# Altium PCB F103RCT6.PcbDoc (part 2 of 2)
Units mil, origin at the board's own origin, x right, y up, seen from the top; angles counter-clockwise.
Board outline 3156.04 x 3159.04 mil, 2 copper layers (Top Layer, Bottom Layer); 126 components, 98 nets, 417 pads, 159 vias.
Unrouted connection lines stored in the file: 77.
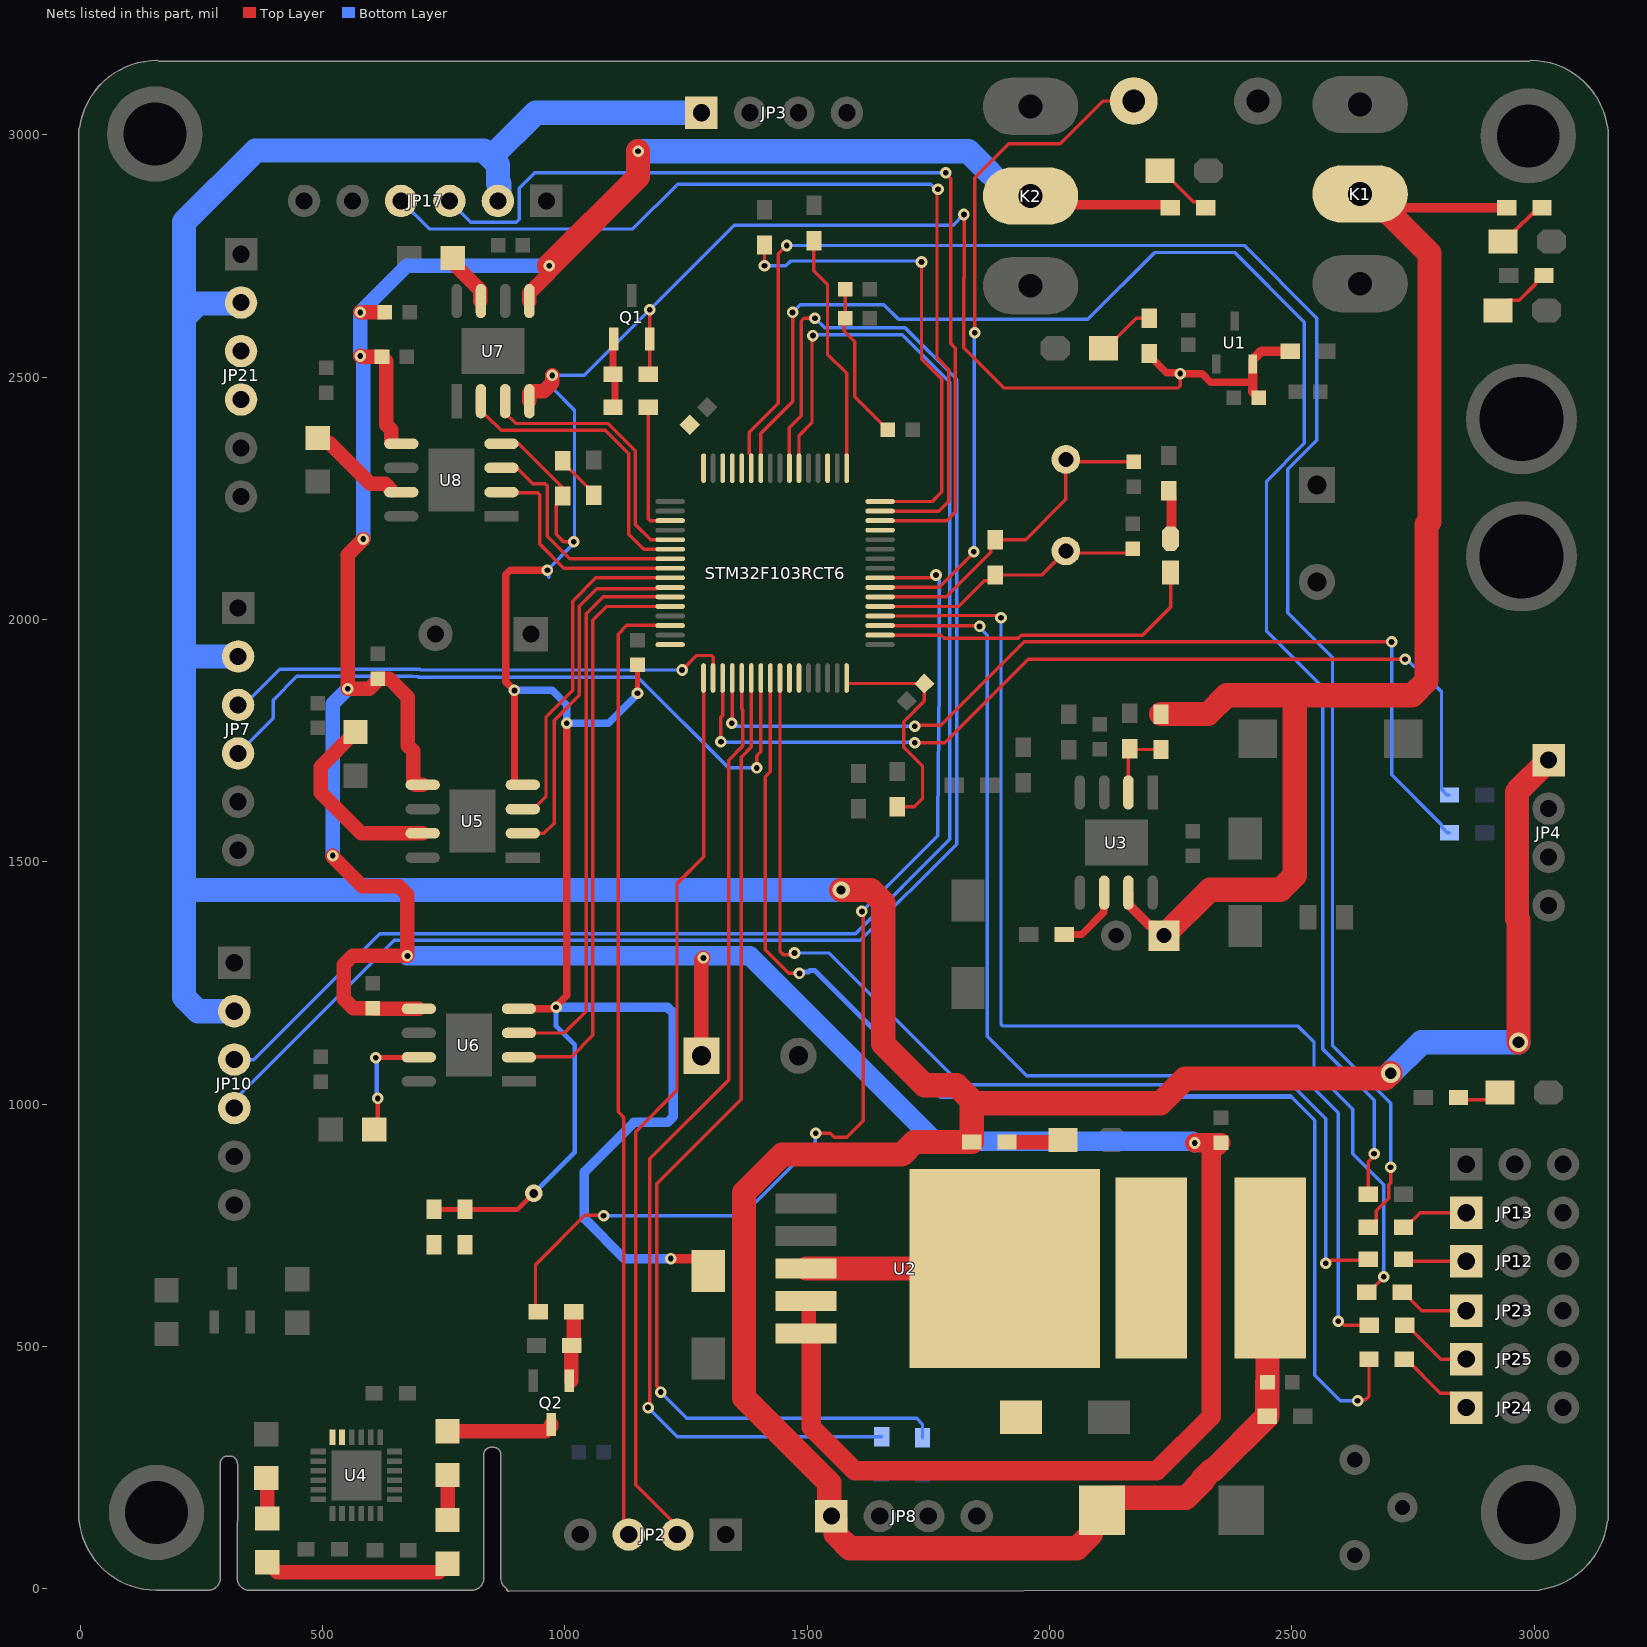
[diagram p2: the nets of this part, all layers, seen from the top]

## Via types
v1: diameter 24, hole 12, Top Layer to Bottom Layer, tented both sides, 150 vias
v2: diameter 36, hole 18, Top Layer to Bottom Layer, tented both sides, 5 vias
v3: diameter 40, hole 24, Top Layer to Bottom Layer, tented both sides, 2 vias
v4: diameter 40, hole 20, Top Layer to Bottom Layer, tented both sides, 2 vias

## Nets (pads, with @x,y where several pads share a name; then routed paths per layer and width w, separated by ;. In a path a pad name is that pad's centre, name@x,y a point inside that pad or via, vN(x,y) a via of type N, cw(c..) or ccw(c..) an arc to the next point about the centre after c; other vN are vias at no path point) (continued)
NetJP12_1: JP12.1 R33.2 | length 131.2
  Top Layer w7: R33.2@2730.5,680 2734.5,676 JP12.1@2860,676
NetJP13_1: JP13.1 R34.2 | length 141.9
  Top Layer w7: R34.2@2730.5,746 2734.75,746 2764.75,776 JP13.1@2860,776
NetJP23_1: JP23.1 R47.2 | length 146.3
  Top Layer w7: R47.2@2730.5,612 2732.25,612 2744.5,599.75 2744.5,598 2768.5,574 JP23.1@2860,574
NetJP24_1: JP24.1 R48.2 | length 168.9
  Top Layer w7: R48.2@2732.5,474 2736.75,474 2806.79,403.96 2830.04,403.96 JP24.1@2860,374
NetJP25_1: JP25.1 R49.2 | length 156
  Top Layer w7: R49.2@2733,544 2737.25,544 2807.25,474 JP25.1@2860,474
NetL2_1: L2.1 U2.3 VD2.2 | length 499.7
  Top Layer w7: U2.3@1908,660.93 1936.93,632 U2.3@1941.45,627.48
  Top Layer w30: L2.1@2159.94,632 L2.1@2189.94,662
  Top Layer w50: U2.3@1498,660.93 U2.3@1908,660.93
NetLED1_2: LED1.2 R16.2 | length 89.5
  Top Layer w20: LED1.2@2249.74,2167 2252,2169.26 2252,2243.78 2251.75,2244.04 R16.2@2251.75,2255.5
NetLED2_1: LED2.1 R38.1 | length 114.7
  Top Layer w8: LED2.1@2936,2780 2941,2780 2962,2801 2962,2803.75 2996.5,2838.25 3000.5,2838.25 R38.1@3014,2851.75 ; R38.1@3014,2855.75 R38.1@3014,2851.75 ; R38.1@3015,2852.75 R38.1@3014,2851.75
NetLED3_1: LED3.1 R39.1 | length 126
  Top Layer w7: LED3.1@2228,2926 2233,2926 2296.75,2862.25 2310.25,2862.25 R39.1@2322.5,2850
NetLED4_1: LED4.1 R40.1 | length 68.5
  Top Layer w7: R40.1@2844,1014 2849,1009 LED4.1@2909,1009
  Top Layer w20: LED4.1@2929,1025 LED4.1@2930,1024
NetLED5_1: LED5.1 R41.1 | length 112.2
  Top Layer w30: R41.1@1917.5,922 2024,922 LED5.1@2028,926
NetLED6_1: LED6.1 R42.1 | length 119.7
  Top Layer w7: LED6.1@2112,2560 2117,2560 2179,2622 R42.1@2206,2622
NetLED7_1: LED7.1 R50.1 | length 134.8
  Top Layer w7: LED7.1@2926,2638 2946.67,2658.67 2969.17,2658.67 3004,2693.5 3004,2705.75 3016.25,2718 R50.1@3020.5,2718
NetQ1_1: Q1.1 R1.1 R2.2 | length 137.5
  Top Layer w15: R1.1@1099.5,2506 Q1.1@1099.5,2575.5 ; R2.2@1103.5,2438 R1.1@1103.5,2506
NetQ2_1: Q2.1 R30.2 R31.2 | length 130.7
  Top Layer w30: Q2.1@1013.4,429.5 1013.4,489.25 1014.15,490 R31.2@1014.5,490 ; R31.2@1016.5,504 1017.75,504 1018.5,504.75 R30.2@1018.5,572
NetQ2_3: Q2.3 R27.2 | length 222
  Top Layer w30: R27.2@758,325 960.96,325 972,336.04 Q2.3@972,339.5
NetR10_1: R10.1 R11.2 U3.2 | length 156
  Top Layer w7: U3.2@2163,1643.35 2163,1730.5 R10.1@2166,1733.5 2167.5,1732 R11.2@2230,1732
NetR13_2: R13.2 U3.6 | length 141.6
  Top Layer w15: R13.2@2030.5,1350 2066,1350 2111.96,1395.96 2111.96,1435.61 U3.6@2113,1436.65
NetR23_1: R23.1 R25.1 | length 388.2
  Top Layer w30: R23.1@386,55 407,34 740,34 R25.1@758,52
NetR23_2: R23.2 R24.1 | length 90
  Top Layer w30: R23.2@386,145 R24.1@386,235
NetR25_2: R25.2 R27.1 | length 97.4
  Top Layer w7: R27.1@754,236 755,235 R27.1@758,235
  Top Layer w30: R25.2@758,142 R27.1@758,235
NetR28_2: R28.2 U5.7 | length 400.5
  Top Layer w30: R28.2@568,1768 496,1696 496,1642.65 579.65,1559 U5.7@706.65,1559
NetR37_2: R37.2 U6.7 | length 245.6
  Top Layer w10: R37.2@607,938 614,945 v1(614,1012) ; v1(610,1096) 610.5,1096.5 686.15,1096.5 U6.7@686.65,1097
  Bottom Layer w10: v1(610,1096) 612,1094 612,1008 v1@614,1006
NetR43_2: R43.2 U7.7 | length 112.1
  Top Layer w30: R43.2@769,2746 769,2736.38 825.6,2679.78 U7.7@825.6,2657.35
NetR44_2: R44.2 U8.7 | length 196.9
  Top Layer w30: R44.2@490,2375 500,2365 513.57,2365 598.4,2280.17 629.22,2280.17 U8.7@642.22,2267.17
NRST: KEY?.2 STM32F103RCT6.7 | length 1393.3
  Top Layer w7: STM32F103RCT6.7@1650.52,2066.48 1772.3,2066.48 1844,2138.18 v1(1844,2140.09) v1@1844,2142 ; v1(1846,2592) 1846,2912 1916.25,2982.25 2021.9,2982.25 2109.65,3070 KEY?.2@2174.09,3070
  Bottom Layer w7: v1(1844,2140.09) 1845,2141.09 1845,2591 v1(1846,2592)
OSCIN: C1.1 R5.2 STM32F103RCT6.5 X1.2 | length 572.6
  Top Layer w7: STM32F103RCT6.5@1650.52,2027.11 1813.11,2027.11 1865.85,2079.85 1875.85,2079.85 R5.2@1888,2092 1984.49,2092 X1.2@2034,2141.51 ; X1.2@2034,2137.51 2163.11,2137.51 C1.1@2172,2146.41
OSCOUT: C3.1 R5.1 STM32F103RCT6.6 X1.1 | length 701.3
  Top Layer w7: STM32F103RCT6.6@1650.52,2046.8 1786.8,2046.8 1878.6,2138.6 1878.6,2155.6 R5.1@1888,2165 1951,2165 2034,2248 X1.1@2034,2330.49 2038.89,2325.59 C3.1@2174,2325.59
PA0: JP17.3 STM32F103RCT6.14 | length 1992.8
  Top Layer w7: STM32F103RCT6.14@1650.52,2204.28 1788.28,2204.28 1806,2222 1806,2559.7 1796,2569.7 1796,2909.4 1786,2919.4 v1(1786,2922)
  Bottom Layer w7: JP17.3@762,2864 805.96,2820.04 899.93,2820.04 906,2826.1 906,2889.78 938.22,2922 v1(1786,2922)
PA1: JP17.4 STM32F103RCT6.15 | length 1979.3
  Top Layer w7: STM32F103RCT6.15@1650.52,2223.96 1772.09,2223.96 1792,2243.88 1792,2516 1768,2540 1768,2886 v1(1770,2888)
  Bottom Layer w7: JP17.4@662,2864 719.96,2806.04 1140.52,2806.04 1232.98,2898.5 1754.9,2898.5 1765.4,2888 v1(1770,2888)
PA2: R17.1 STM32F103RCT6.16 | length 999.3
  Top Layer w7: v1(1412,2730) R17.1@1412,2773 ; STM32F103RCT6.16@1650.52,2243.65 1757.65,2243.65 1778,2264 1778,2496.45 1736,2538.45 v1(1736,2738)
  Bottom Layer w7: v1(1412,2730) 1456.18,2730 1466.18,2740 1734,2740 v1(1736,2738)
PA3: R21.1 STM32F103RCT6.17 | length 503.1
  Top Layer w7: R21.1@1510,2778 R21.1@1514,2782 1514,2720 1542,2692 1542,2548 1581.64,2508.36 STM32F103RCT6.17@1581.64,2312.53
PA6: JP10.3 STM32F103RCT6.22 | length 3217.3
  Top Layer w7: STM32F103RCT6.22@1483.22,2312.53 1483.22,2379.12 1510,2405.9 1510,2584 v1(1512,2586)
  Bottom Layer w7: JP10.3@318,1092 357.86,1092.03 617.83,1352 1599.82,1352 1794.5,1546.68 1794.5,2489.7 1696.2,2588 1514,2588 v1(1512,2586)
PA7: JP10.4 STM32F103RCT6.23 | length 3373.4
  Top Layer w7: STM32F103RCT6.23@1463.53,2312.53 1463.53,2395.71 1488,2420.18 1488,2616.03 1493.5,2621.53 1515.53,2621.53 v1(1516,2622)
  Bottom Layer w7: JP10.4@318,992 318,1008 648,1338 1610,1338 1808.5,1536.5 1808.5,2495.5 1702,2602 1536,2602 v1(1516,2622)
PA8: STM32F103RCT6.41 U5.3 | length 705.6
  Top Layer w7: U5.3@913.35,1609 935,1609 961.28,1635.28 961.28,1799.28 1016,1854 1016,2038 1064.17,2086.17 STM32F103RCT6.41@1217.48,2086.17
PA9: STM32F103RCT6.42 U5.2 | length 746.3
  Top Layer w7: U5.2@913.35,1559 957,1559 978,1580 978,1791.82 1030,1843.82 1030,2027.9 1066.1,2064 1188.64,2064 1191.12,2066.48 STM32F103RCT6.42@1217.48,2066.48
PA10: STM32F103RCT6.43 U6.3 | length 1165.1
  Top Layer w7: U6.3@905.35,1147 999,1147 1044,1192 1044,2011.9 1078.9,2046.8 STM32F103RCT6.43@1217.48,2046.8
PA11: STM32F103RCT6.44 U6.2 | length 1196
  Top Layer w7: U6.2@908,1098 1014,1098 1058,1142 1058,1998.42 1086.7,2027.11 STM32F103RCT6.44@1217.48,2027.11
PA15: JP7.3 STM32F103RCT6.50 | length 1039.1
  Top Layer w7: v1(1242,1896) 1272,1926 1301.95,1926 1306.05,1921.9 STM32F103RCT6.50@1306.05,1879.49
  Bottom Layer w7: JP7.3@349.82,1835.4 411.92,1897.5 701.09,1897.5 702.53,1896.07 1241.93,1896.07 v1(1242,1896)
PB0: R32.1 STM32F103RCT6.26 | length 3470.2
  Top Layer w7: STM32F103RCT6.26@1404.48,2312.53 1404,2313.01 1404,2384 1470,2450 v1(1470,2634) ; R32.1@2657.5,814 2657.5,880.9 2670,893.4 v1(2670,898)
  Bottom Layer w7: v1(1470,2634) 1486,2650 1658,2650 1688.55,2619.44 2079.45,2619.44 2217.5,2757.5 2382.32,2757.5 2526,2613.82 2526,2363.65 2448,2285.65 2448,1976 2564,1860 2564,1114 2670,1008 v1(2670,898)
PB1: R34.1 STM32F103RCT6.27 | length 3659.9
  Top Layer w7: STM32F103RCT6.27@1384.79,2312.53 1384.79,2338.89 1380.53,2343.15 1380.53,2386.53 1440.79,2446.79 1440.79,2754.79 v1(1458,2772) ; R34.1@2657.5,746 2661.75,746 2674,758.25 2674,779.9 2700,805.9 2700,834.1 2704,838.1 v1(2704,870)
  Bottom Layer w7: v1(1458,2772) 2402,2772 2552,2622 2552,2369.85 2492,2309.85 2492,2014 2584,1922 2584,1122 2704,1002 v1(2704,870)
PB2: R4.1 R7.2 STM32F103RCT6.28 | length 110.8
  Top Layer w7: R4.1@996,2328 996,2323.75 1008.25,2311.5 1009.02,2311.5 1060,2260.52 R7.2@1060,2256.26 R7.2@1052,2248.26 ; STM32F103RCT6.28@1365.11,2312.53 STM32F103RCT6.28@1365.65,2311.99
PB3: JP7.4 STM32F103RCT6.55 | length 1425.2
  Top Layer w7: v1(1396,1694) 1396,1718.6 1404.48,1727.08 STM32F103RCT6.55@1404.48,1879.49
  Bottom Layer w7: JP7.4@326,1724 398,1796 398,1834 446.78,1882.78 685.22,1882.78 685.43,1882.57 696.23,1882.57 697.44,1881.35 1150.47,1881.35 1337.82,1694 v1(1396,1694)
PB4: R48.1 STM32F103RCT6.56 | length 2590.1
  Top Layer w7: STM32F103RCT6.56@1424.16,1879.49 1424,1879.33 1424,1686 1413.5,1675.5 1413.5,1318.5 1462,1270 v1(1484,1270) ; v1(2636,388) 2638.11,390.11 2651.71,390.11 2659.5,397.9 R48.1@2659.5,474
  Bottom Layer w7: 2498,1016 2547.5,966.5 2547.5,440.5 2600,388 v1(2636,388)
  Bottom Layer w10: v1(1484,1270) 1486.68,1272.68 1502.68,1272.68 1506,1276 1516,1276 1776,1016 2498,1016
PB5: R33.1 STM32F103RCT6.57 | length 2221
  Top Layer w7: STM32F103RCT6.57@1444,1876.22 1444,1316 1451.25,1308.75 1470.75,1308.75 v1(1474,1312) ; v1(2570,672) 2574.6,672 2580.6,678 2655.5,678 R33.1@2657.5,680
  Bottom Layer w7: v1(1474,1312) 1546,1312 1818,1040 2500,1040 2570,970 v1(2570,672)
PB6: JP21.3 STM32F103RCT6.58
PB7: JP21.4 STM32F103RCT6.59
PB10: R19.2 STM32F103RCT6.29 U4.23
PB11: R20.2 STM32F103RCT6.30 U4.24
PB14: R2.1 STM32F103RCT6.35 | length 296
  Top Layer w7: R2.1@1156.15,2429.85 1164.35,2429.85 R2.1@1172.5,2438 1172.5,2208.38 1176.6,2204.28 STM32F103RCT6.35@1217.48,2204.28
PC0: R30.1 STM32F103RCT6.8 | length 2227.8
  Top Layer w7: R30.1@939.5,572 939.5,668.66 1041.52,770.68 1079.32,770.68 v1(1080,770) ; v1(1518,940) 1547.8,940 1556.3,931.5 1581.5,931.5 1616,966 1616,1395 v1(1613,1398) ; STM32F103RCT6.8@1650.52,2086.17 1755.57,2086.17 1761.4,2092 v1(1766,2092)
  Bottom Layer w7: v1(1080,770) 1366,770 1516.5,920.5 1516.5,938.5 v1(1518,940) ; v1(1613,1398) 1614,1398 1769.95,1553.95 1769.95,1589.95 1772.32,1866.65 1772.32,1866.71 1772.32,2081.08 1766,2087.4 v1(1766,2092)
PC6: STM32F103RCT6.37 U7.3 | length 562.2
  Top Layer w7: U7.3@877,2450.65 877,2426.05 898.33,2404.72 1089.08,2404.72 1145.75,2348.05 1145.75,2196.25 1177.09,2164.91 STM32F103RCT6.37@1217.48,2164.91
PC7: STM32F103RCT6.38 U7.2 | length 626.3
  Top Layer w7: U7.2@827,2450.65 827,2430.01 835.91,2421.1 838.22,2421.1 868.6,2390.72 1083.28,2390.72 1131.75,2342.25 1131.75,2176.25 1162.78,2145.22 STM32F103RCT6.38@1217.48,2145.22
PC8: STM32F103RCT6.39 U8.3 | length 486.7
  Top Layer w7: U8.3@869.35,2313 872.15,2310.2 903.7,2310.2 933.9,2280 959.9,2280 964,2275.9 964,2172 1010.5,2125.5 1137.32,2125.5 1137.36,2125.54 STM32F103RCT6.39@1217.48,2125.54
PC9: STM32F103RCT6.40 U8.2 | length 462.8
  Top Layer w7: U8.2@879.04,2262 943.9,2262 948,2257.9 948,2156 998.15,2105.85 STM32F103RCT6.40@1217.48,2105.85
PC10: R18.1 STM32F103RCT6.51 | length 1942.2
  Top Layer w7: v1(1322,1748) 1322,1798.43 1325.74,1802.16 STM32F103RCT6.51@1325.74,1879.49 ; v1(1722,1746) 1784,1746 1956,1918 v1(2734,1918)
  Bottom Layer w7: v1(1322,1748) 1323,1747 1721,1747 v1(1722,1746) ; v1(2734,1918) 2737.05,1918 2751.43,1903.62 2756.38,1903.62 2809,1851 2809,1650.25 2821.25,1638 R18.1@2825.5,1638
PC11: R22.1 STM32F103RCT6.52 | length 1975.8
  Top Layer w7: v1(1344.6,1786) 1345.42,1786.82 STM32F103RCT6.52@1345.42,1879.49 ; v1(1721.92,1779.92) 1723.84,1781.84 1775.84,1781.84 1948,1954 v1(2706,1954)
  Bottom Layer w7: v1(1344.6,1786) 1350.78,1779.82 v1@1721.82,1779.82 ; v1(2706,1954) 2706,1679.5 2809,1576.5 2809,1572.25 2821.25,1560 R22.1@2825.5,1560
PC12: R26.1 STM32F103RCT6.53 | length 2094
  Top Layer w7: v1(1172,374) 1175.1,377.1 1175.1,887.1 1338,1050 1338,1710.12 1367.1,1739.22 1367.1,1813.64 1365.11,1815.63 STM32F103RCT6.53@1365.11,1879.49
  Bottom Layer w7: v1(1172,374) 1232,314 R26.1@1654,314
PC13: LED1.1 STM32F103RCT6.2 | length 679.9
  Top Layer w7: STM32F103RCT6.2@1669.5,1968.06 1776.09,1968.06 1782.65,1961.5 1935.7,1961.5 1942.26,1968.06 2192.06,1968.06 2250,2026 LED1.1@2250,2096
PC14: R49.1 STM32F103RCT6.3 | length 2354.4
  Top Layer w7: STM32F103RCT6.3@1641.75,1987.74 1642.29,1987.2 1854.8,1987.2 v1(1856,1986) ; v1(2596,552) 2600.6,552 2608.6,544 R49.1@2660,544
  Bottom Layer w7: v1(1856,1986) 1856,1984 1872,1968 1872,1140 1953.5,1058.5 2519.5,1058.5 2596,982 v1(2596,552)
PC15: R47.1 STM32F103RCT6.4 | length 2344.6
  Top Layer w7: STM32F103RCT6.4@1650.52,2007.43 1770.84,2007.43 1771.91,2008.5 1890.9,2008.5 1895.4,2004 v1(1900,2004) ; R47.1@2655,612 2659.25,612 2690,642.75 v1(2690,644)
  Bottom Layer w7: v1(1900,2004) 1900,1165.51 1904.1,1161.41 2512.79,1161.41 2546,1128.2 2546,1070 2626,990 2626,898 2690,834 v1(2690,644)
PD2: R29.1 STM32F103RCT6.54 | length 2152.8
  Top Layer w7: v1(1198,406) 1198,410.6 1190,418.6 1190,836 1364,1010 1364,1716.32 1384.79,1737.11 STM32F103RCT6.54@1384.79,1879.49
  Bottom Layer w7: v1(1198,406) 1252,352 1726,352 1738,340 R29.1@1738,312
S5V: C5.2 E5.1 JP3.1 JP4.1 JP7.2 JP8.1 JP10.2 JP17.2 JP21.2 L2.2 R9.2 R41.2 | length 9697.7
  Top Layer w50: JP8.1@1550,150 1545.5,154.5 1545.5,218.5 1370,394 1370,818 1448,896 1695.26,896 1721.26,922 R41.2@1839.5,922 1839.5,995.35 ; JP8.1@1558.46,141.54 1558.46,113.29 1587.75,84 2056.77,84 2086.06,113.29 2086.06,139.76 E5.1@2108.3,162 ; v2(1570,1442) 1631.23,1442 1657,1416.23 1657,1124.39 1742.39,1039 1808.39,1039 1845.39,1002 2229,1002 2280,1053 2693,1053 v3(2704,1064) ; E5.1@2108.3,165.94 2112.48,170.12 2130.54,188.18 2281.68,188.18 2316.46,222.96 2316.46,226.44 2335.2,245.18 2338.68,245.18 R9.2@2449.5,356 C5.2@2449.5,426 ; C5.2@2450,426 2450,656 L2.2@2456,662 ; v3(2968,1128) 2968,1379.42 2964.54,1382.88 2964.54,1644.54 JP4.1@3030,1710
  Bottom Layer w50: JP10.2@318,1192 243.29,1192 214,1221.29 214,1442 ; JP7.2@326,1924 222,1924 214,1932 ; JP21.2@332,2652 243.29,2652 214,2622.71 ; 847.36,2953.36 940,3046 JP3.1@1282,3046 ; JP17.2@862,2864 865.24,2867.24 865.24,2899.22 ; 862,2899.22 862,2938.71 832.71,2968 362,2968 214,2820 214,2622.71 ; v2(1570,1442) 214,1442 ; v3(2704,1064) 2768,1128 v3(2968,1128) ; 214,1442 214,1932 ; 214,1932 214,2622.71
S12V: C9.2 C17.2 C19.2 C21.2 C23.2 E4.1 K2.2 R39.2 U2.4 U2.5 U5.5 U6.5 U7.5 U8.5 | length 8251.4
  Top Layer w20: K2.2@1961,2874.04 1979.29,2855.75 2243.75,2855.75 R39.2@2249.5,2850 R39.2@2249,2849.5
  Top Layer w30: v1(521,1513) 521,1511 582,1450 657.56,1450 675.13,1432.43 v1(675.13,1306) 562,1306 544,1288 544,1218 563.59,1198.41 C19.2@604,1198.41 605.41,1197 U6.5@698.65,1197 ; v1(578,2544) 580,2542 C23.2@622.82,2542 632,2532.82 632,2402 642.22,2391.78 U8.5@642.22,2367.17 ; v1(578,2634) C21.2@628.82,2634 ; v1(584,2166) 552,2134 v1(552,1857.28) 596.42,1857.28 614,1874.86 C17.2@614,1878.41 637.59,1878.41 676,1840 676,1740 687.1,1728.9 687.1,1663.17 691.27,1659 U5.5@706.65,1659 ; U7.5@927,2657.35 927,2673.61 968,2714.61 v1(968,2730) ; E4.1@1282,1100 1282,1298 v1(1286,1302) ; U2.5@1498,527.07 1503.67,532.74 1503.67,588.33 U2.4@1498,594
  Top Layer w40: U2.5@1498,527.07 1507.5,527.07 1508.17,526.4 1508.17,333.83 1598,244 2222,244 2334,356 2334,900.82 C9.2@2354,920.82 2300.82,920.82 v1(2300,920)
  Top Layer w50: v1(968,2730) 1151.23,2913.23 v1(1151.23,2966.33)
  Bottom Layer w30: v1(521,1513) 521,1826.28 v1(552,1857.28) ; v1(584,2166) 584,2538 v1(578,2544) v1(578,2634) 674,2730 v1(968,2730)
  Bottom Layer w40: v1(675.13,1306) 1282,1306 v1(1286,1302) 1290,1306 1382,1306 1764,924 2296,924 v1(2300,920)
  Bottom Layer w50: v1(1151.23,2966.33) 1832.65,2966.33 1924.93,2874.04 K2.2@1961,2874.04
SWCLK: JP2.2 STM32F103RCT6.49 | length 1861.3
  Top Layer w7: JP2.2@1232,112 1232,129.04 1146,215.04 1146,943.44 1231.5,1028.94 1231.5,1455.5 1286.37,1510.37 STM32F103RCT6.49@1286.37,1879.49
SWDIO: JP2.3 STM32F103RCT6.46 | length 1984.6
  Top Layer w7: JP2.3@1132,112 1121.9,122.1 1121.9,972.62 1110,984.52 1110,1970 1128,1988 STM32F103RCT6.46@1220,1988
T12V: E3.1 K1.2 R11.1 R38.2 U3.7 | length 2827.5
  Top Layer w20: U3.7@2163,1436.65 2163,1412.05 2205.55,1369.5 2214.93,1369.5 E3.1@2236.43,1348 ; K1.2@2641,2878.04 2669.04,2850 2690.02,2850 R38.2@2943.5,2850
  Top Layer w50: R11.1@2230,1805 2327,1805 2366,1844 2506,1844 ; E3.1@2236.43,1348 2331.18,1442.76 2476.71,1442.76 2506,1472.05 2506,1844 ; K1.2@2600.13,2878.04 K1.2@2641,2878.04 2661.98,2878.04 2690.02,2850 2784,2756.02 2784,2202 2778,2196 2778,1873.29 2748.71,1844 2506,1844
VCC: C6.2 C11.1 C12.1 C13.1 C14.1 C15.1 C16.1 Q1.2 R1.2 R3.2 R4.2 R8.2 R19.1 R20.1 R42.2 STM32F103RCT6.13 STM32F103RCT6.19 STM32F103RCT6.32 STM32F103RCT6.48 STM32F103RCT6.64 U1.2 U5.4 U6.4 U7.4 U8.4 VD3.2 | length 7355.5
  Top Layer w7: U8.4@869.35,2363 905,2363 996,2272 R4.2@996,2255 996,2250.75 982,2236.75 982,2176 997.29,2160.71 v1(1018.6,2160.71) ; R1.2@1172.5,2506 1175.4,2508.9 Q1.2@1175.4,2579 v1(1175.4,2639.4) v1@1176,2640 ; STM32F103RCT6.32@1286.18,2312.35 STM32F103RCT6.32@1286.37,2312.53 ; STM32F103RCT6.19@1542.27,2312.53 STM32F103RCT6.19@1542.81,2311.99 ; C13.1@1570.82,2622 C13.1@1571.4,2621.42 ; C11.1@1578.41,2682 C13.1@1578.41,2622 1577,2620.59 1577,2595 1598.27,2573.73 1598.27,2460.13 C12.1@1666.41,2392 ; STM32F103RCT6.64@1581.64,1879.49 1581.64,1869.41 1582.95,1868.1 C15.1@1742.1,1868.1 1742.1,1832.04 1699.42,1789.36 1699.42,1736.76 1738,1698.18 1738,1630 1721.5,1613.5 R3.2@1686,1613.5 ; v1(1823.5,2836) 1824,2835.5 1824,2705.66 1823.5,2705.16 1823.5,2560.5 1906,2478 2265.9,2478 2270,2482.1 v1(2270,2507.5) ; R42.2@2206,2549 R42.2@2209.91,2545.09
  Top Layer w10: R20.1@730,783 R19.1@794,783 903,783 v2(936,816) ; v1(1150,1848) C14.1@1150,1906.41
  Top Layer w15: U6.4@905.35,1197 976.56,1197 979.56,1200 v1(982,1200) 982,1202.44 1004,1224.44 v1(1004,1786) ; U5.4@913.35,1659 899.19,1659 896.12,1662.07 896.12,1853.88 v1(896,1854) 878,1872 878,2093.21 886.79,2102 v1(964,2102) ; R42.2@2209.91,2545.09 2209.91,2540.84 2241.53,2509.22 2268.28,2509.22 v1(2270,2507.5) 2315.05,2507.5 2332.55,2490 2419.4,2490
  Top Layer w20: v1(1218.5,681.45) 1271.55,681.45 1296,657 VD3.2@1296,656 ; C6.2@2431.59,2458 2419.4,2470.18 2419.4,2490 U1.2@2419.4,2527 2419.4,2535.54 2437.86,2554 R8.2@2497,2554
  Top Layer w30: U7.4@927,2450.65 927,2466.91 931.17,2471.09 956.43,2471.09 974,2488.66 v1(974,2504)
  Bottom Layer w7: v1(964,2102) 966.91,2099.09 966.91,2087.09 ; v1@964,2102.26 1020,2158.26 1020,2432 974,2478 v1(974,2504) 1040,2504 1350,2814 1801.5,2814 v1(1823.5,2836)
  Bottom Layer w10: v2(936,816) 1020.5,900.5 1020.5,1122.36 982,1160.86 v1(982,1200)
  Bottom Layer w15: v1(896,1854) 974,1854 1004,1824 v1(1004,1786) 1090,1786 1150,1846 v1(1150,1848)
  Bottom Layer w20: v1(982,1200) 1212.28,1200 1224,1188.28 1224,974.4 1212.28,962.68 1142.68,962.68 1040.28,860.28 1040.28,763.72 1122.55,681.45 v1(1218.5,681.45)
pads on no net: K1.3 K2.3 STM32F103RCT6.1 STM32F103RCT6.9 STM32F103RCT6.10 STM32F103RCT6.11 STM32F103RCT6.20 STM32F103RCT6.21 STM32F103RCT6.24 STM32F103RCT6.25 STM32F103RCT6.33 STM32F103RCT6.34 STM32F103RCT6.36 STM32F103RCT6.45 STM32F103RCT6.61 STM32F103RCT6.62 U4.2 U4.3 U4.4 U4.5 U4.6 U4.7 U4.12 U4.14 U4.15 U4.16 U4.17 U4.19 U4.21 U4.22 U4.25

## Polygon pours and split planes (outlines as drawn)
GND on Top Layer "NONET_L01_P020" (hatched Horizontal grid 4 track 5, remove dead copper, shelved, pour order 20): 155.95,-3.01 264.01,-3.02 ccw(c264.01,22) 289.02,22 289.01,22.28 289.01,258 289.01,259 cw(c304,259) 304,273.98 309,273.99 cw(c309,259) 323.99,259 324.98,256.01 323.99,22.02 323.99,22 ccw(c349,22) 349,-3.02 808,-3.02 ccw(c808,22) 833.01,22 833.01,22.28 833.01,277 cw(c847.99,277) 847.99,291.98 852.99,291.98 cw(c852.99,277) 867.98,277 867.98,22 ccw(c892.99,22) 880.02,0.61 ccw(c884.99,-0.01) 885,-5.02 3010,-3.02 3013.59,-1.5 ccw(c2991.53,157.48) 3150.87,138.19 3152.62,142 3152.62,2991.02 3153.02,2993.53 ccw(c2992.6,2993.53) 3152.62,3004.86 3152.62,3012 3151.57,3015.07 ccw(c2992.52,2993.53) 2994.05,3154.02 2990.52,3152.62 161.63,3152.62 158.47,3153.75 ccw(c157.91,2993.25) -0.97,3016.04 -3.02,3012 -3.02,158.27 -3.02,158.05 ccw(c157.48,157.48)
GND on Top Layer "GND_L01_P016" (hatched Horizontal grid 4 track 5, remove dead copper, pour order 16): 1748.96,1197.04 1802,1144 2554,1144 2554,1836 1900,1836 1747.13,1683.13
NetL2_1 on Top Layer "NETL2_1_L01_P000" (solid, pour order 0): 1588,854 2289.63,854 2289.49,483.49 2262,456 1986,456 1986,311.5 1891.63,311.5 1891.63,456 1588,456
GND on Bottom Layer "NONET_L02_P022" (hatched Horizontal grid 4 track 5, remove dead copper, shelved, pour order 22): 155.95,-3.01 264.01,-3.02 ccw(c264.01,22) 289.02,22 289.01,22.28 289.01,258 289.01,259 cw(c304,259) 304,273.98 309,273.99 cw(c309,259) 323.99,259 324.98,256.01 323.99,22.02 323.99,22 ccw(c349,22) 349,-3.02 808,-3.02 ccw(c808,22) 833.01,22 833.01,22.28 833.01,277 cw(c847.99,277) 847.99,291.98 852.99,291.98 cw(c852.99,277) 867.98,277 867.98,22 ccw(c892.99,22) 880.02,0.61 ccw(c884.99,-0.01) 885,-5.02 3010,-3.02 3013.59,-1.5 ccw(c2991.53,157.48) 3150.87,138.19 3152.62,142 3152.62,2991.02 3153.02,2993.53 ccw(c2992.6,2993.53) 3152.62,3004.86 3152.62,3012 3151.57,3015.07 ccw(c2992.52,2993.53) 2994.05,3154.02 2990.52,3152.62 161.63,3152.62 158.47,3153.75 ccw(c157.91,2993.25) -0.97,3016.04 -3.02,3012 -3.02,158.27 -3.02,158.05 ccw(c157.48,157.48)

## Keep-outs
Keep-Out Layer:
  lines w10: 2,3012 2,158.03 ccw(c157.48,157.48) 156,2 264.01,2 ccw(c264.01,22) 284.01,22 284,258 ; 2.43,2994.73 cw(c157.91,2993.25) 158.46,3148.73 ; 152.03,3147.61 3004,3147.61 ; 284,259 cw(c304,259) 304,279 309,279 cw(c309,259) 329,259 ; 330,258 329,22 ccw(c349,22) 349,2 808,2 ccw(c808,22) 828,22 827.99,276 ; 827.99,277 cw(c847.99,277) 847.99,297 852.99,297 cw(c852.99,277) 872.99,277 ; 830.49,374 ccw(c850.49,374) 850.49,354 855.49,354 ccw(c855.49,374) 875.49,374 ; 830.49,376 830.49,432 ccw(c810.49,432) 810.49,452 615.49,452 cw(c615.49,472) 595.49,472 595.49,477 cw(c615.49,477) 615.49,497 855.49,497 cw(c855.49,477) 875.49,477 875.49,376 ; 872.99,276 872.99,22 ccw(c892.99,22) 892.99,2 ; 884.99,-0.01 3010,2 ; 2990.98,1.99 ccw(c2991.53,157.48) 3147.01,156 ; 2994,3149.01 cw(c2992.52,2993.53) 3148.01,2992.98 ; 3147.61,142 3147.61,3012 ; 286.5,477 cw(c306.5,477) 306.5,497 436.5,497 cw(c436.5,477) 456.5,477 456.5,472 cw(c436.5,472) 436.5,452 351.5,452 ccw(c351.5,432) 331.5,432 331.5,369.42 cw(c317.08,369.42) 317.08,355 302.07,355 cw(c302.07,370.5) 286.57,370.5 286.5,477

## Other copper
Top Layer:
  rectangle net NetC7_1: 2262,1540 2412,1620
  rectangle net 5V: 2576,1304 2776,1796
  rectangle net NetC7_1: 2190,1602 2406,1684
  rectangle net NetC7_1: 2368,1502 2470,1800

## Silkscreen, mask and mechanical layers (free items; w line width, h text height)
Top Overlay:
  text "VCC" at 1954.04,3048.5 h45
  text "T12V" at 2806,2880 h45
  text "A2" at 1316,2872 h45
  text "GND" at 1649.74,2871.5 h45
  text "A3" at 1554,2868.5 h45
  text "S5V" at 1214,2866.5 h45
  text "M3+" at 1028,2816 h25
  text "5V" at 840,2802 h25
  text "A1" at 616,2798 h25
  text "A0" at 738,2794 h25
  text "M3-" at 404,2786 h25
  text "GND" at 494,2778 h25
  text "S12V" at 2094,2770.5 h45
  text "M4+" at 378,2744 h25
  text "5V" at 384,2693.43 h25
  text "B6" at 384,2593.23 h25
  text "B9" at 384,2494.15 h25
  text "GND" at 384,2393.08 h25
  text "M4-" at 384,2294 h25
  text "M1+" at 390,2064 h25
  text "5V" at 390,1963.18 h25
  text "A15" at 390,1862.73 h25
  text "5V" at 2828,1778.5 h45
  text "B3" at 390,1762.28 h25
  text "GND" at 390,1661.45 h25
  text "(TX)" at 2826,1636.71 h25
  text "C10" at 2812,1598.5 h45
  text "M1-" at 390,1562 h25
  text "C11" at 2804,1488.5 h45
  text "(RX)" at 2820,1466.53 h24
  text "GND" at 2792,1372.5 h45
  text "M2+" at 390,1330 h25
  text "S5V" at 2306,1304.5 h45
  text "5V" at 390,1230.25 h25
  text "A6" at 390,1130.88 h25
  text "A7" at 390,1032.62 h25
  text "GND" at 390,932.38 h25
  text "M2-" at 390,834 h25
  text "662k" at 338,696.5 h45
  text "1k" at 712,640 h45
  text "1k" at 774,636 h45
  text "1k" at 848,630 h45
  text "10uf" at 148,598.5 h45
  text "10uf" at 532,596.5 h45
  text "100k" at 1048,436.5 h45
  text "2.2nf" at 467.96,392 h45
  text "nmos" at 1048,378.46 h45
  text "4.7R" at 810,308 h60
  text "(TX)" at 1696,306.71 h25
  text "(RX)" at 1799.46,307.08 h24
  text "4.7R" at 208,300 h60
  text "5V" at 2914,288 h25
  text "GND" at 2998,288 h25
  text "PB0" at 2804.08,284.5 h45
  text "5V" at 998,276.5 h45
  text "DIO" at 1097.33,276.5 h45
  text "CLK" at 1196.67,276.5 h45
  text "GND" at 1296,276.5 h45
  text "GND" at 1574.59,273.65 h45
  text "C12" at 1680,274.5 h45
  text "PD2" at 1784,274 h45
  text "GND" at 1874,258.5 h45
  text "PB1" at 2804.08,238.23 h45
  text "PB5" at 2804.08,192.96 h45
  text "C15" at 2804.08,147.19 h45
  text "C14" at 2804.08,101.42 h45
  text "B4" at 2804.08,55.15 h45
  text "4.7R" at 808,24 h60
  text "4.7R" at 222,22 h60
  text "104" at 482,-37.5 h45
  text "104" at 618,-39.5 h45
Bottom Overlay:
  text "Design   by   黄鹏杰" at 2514,432 h240